# Altium PCB SDC.PcbDoc (part 2 of 3)
Units mm, origin at the board's own origin, x right, y up, seen from the top; angles counter-clockwise.
Board outline 100 x 160 mm, 4 copper layers (Top Layer, Signal Layer 1, Signal Layer 2, Bottom Layer), stack 0.778 mm thick; 295 components, 268 nets, 1347 pads, 611 vias.
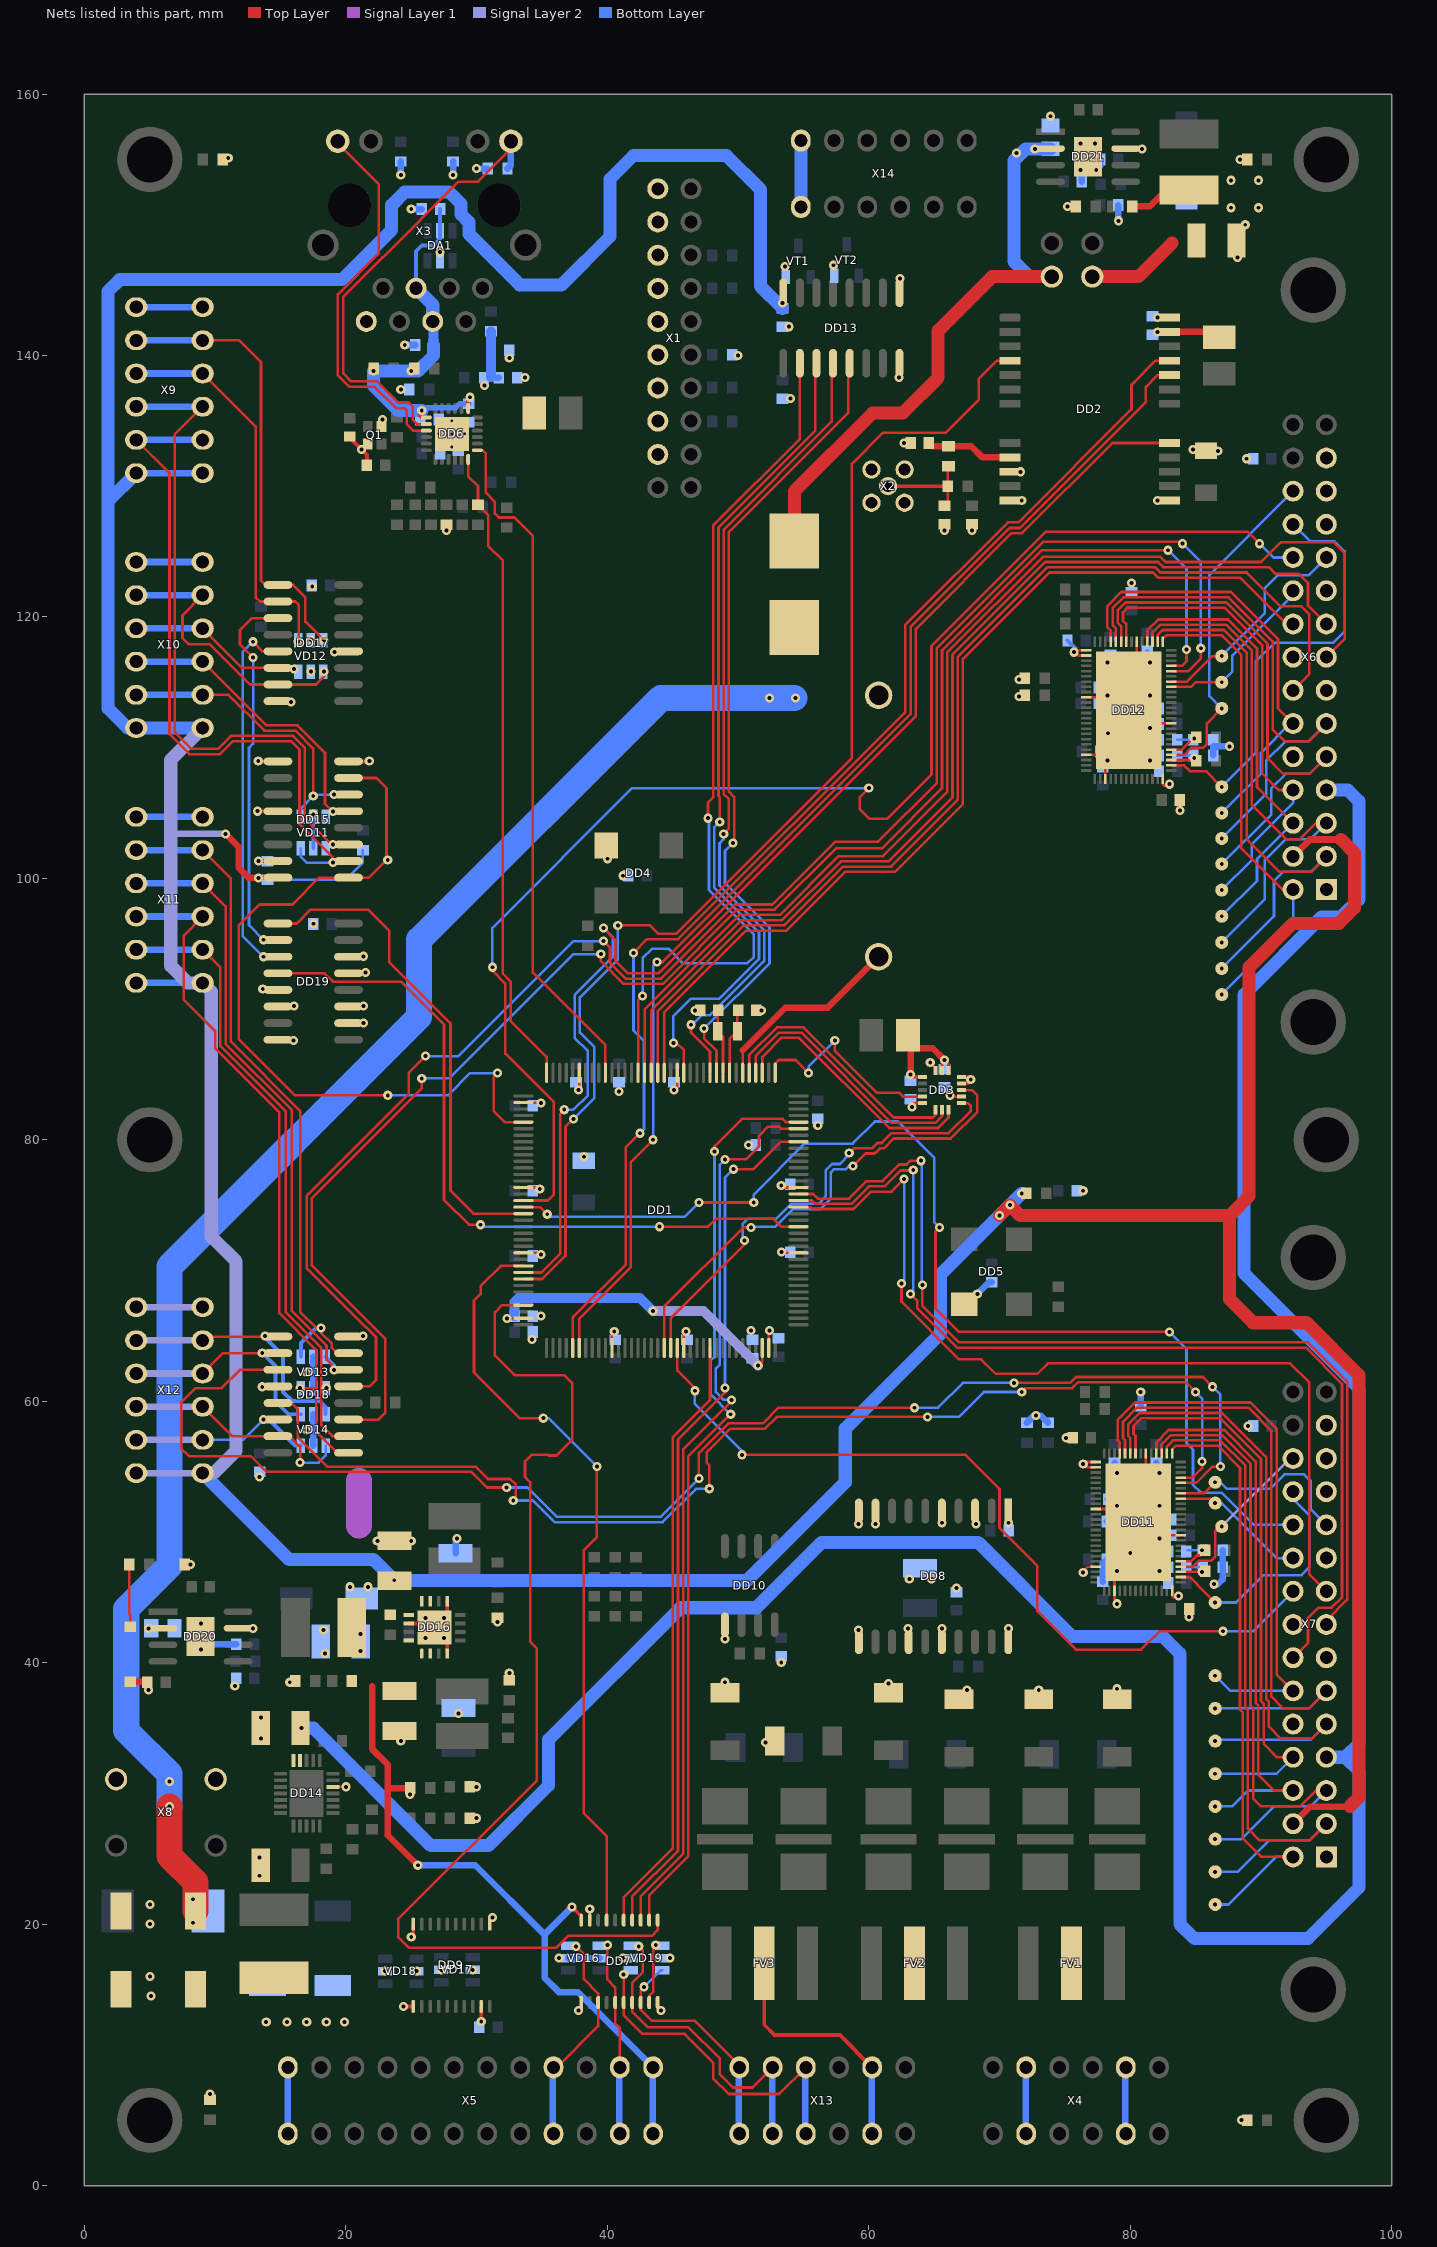
[diagram p4: the nets of this part, all layers, seen from the top]

## Via types
v1: diameter 0.7, hole 0.3, Top Layer to Bottom Layer, tented both sides, 606 vias
v2: diameter 0.5, hole 0.2, Top Layer to Bottom Layer, 5 vias

## Nets (pads, with @x,y where several pads share a name; then routed paths per layer and width w, separated by ;. In a path a pad name is that pad's centre, name@x,y a point inside that pad or via, vN(x,y) a via of type N, cw(c..) or ccw(c..) an arc to the next point about the centre after c; other vN are vias at no path point) (continued)
+5V: C77.2 C82.2 C84.2 C88.2 C99.2 DD7.20 DD13.16 DD15.16 DD16.1 DD16.2 DD16.11 DD16.12 DD16.13 DD16.16 HL4.1 L5.1 L9.2 R55.2 R58.2 R69.2 X5.1 X6.4 X7.4 X9.1 X10.1 X11.1 X12.1 | length 465.6
  Top Layer w0.3: v1@13.345,100.055 DD15.16@14.8,100.055 ; v1(37.3,21.3) 38,20.6 DD7.20@38,20.3
  Top Layer w0.5: v1(10.8,103.4) 11.8,102.4 11.8,100.8 12.545,100.055 v1@13.345,100.055 ; 22,38.2 22,33.4 23.2,32.2 23.2,26.8 v1(25.5,24.5) ; 23.5,30.4 HL4.1@24.938,30.4 ; X7.4@92.46,27.68 93.75,28.97 96.77,28.97 96.8,29 ; X6.4@92.46,101.68 93.75,102.97 96.13,102.97
  Top Layer w1: v1(70,74.2) v1(70.8,75) 71.6,74.2 87.6,74.2 ; 96.13,102.97 97.15,101.95 97.15,97.75 95.95,96.55 92.45,96.55 89.1,93.2 89.1,75.7 87.6,74.2 ; 96.8,29 97.5,29.7 97.5,62 93.5,66 89.4,66 87.6,67.8 87.6,74.2
  Signal Layer 2 w0.5: X12.1@3.96,54.5 X12.1@9,54.5 ; 6.6,103.4 v1(10.8,103.4)
  Signal Layer 2 w1: X12.1@9.04,54.5 9.9,54.5 11.6,56.2 11.6,70.7 9.7,72.6 9.7,91.34 X11.1@9.04,92 7.9,92 6.6,93.3 6.6,103.4 6.6,109.06 X10.1@9.04,111.5
  Bottom Layer w0.2: C82.2@14,99.9 20,99.9 21.3,101.2 R55.2@21.3,102.138
  Bottom Layer w0.5: X11.1@3.92,92 X11.1@3.96,92 X11.1@9,92 ; X9.1@3.96,131 X9.1@9.04,131 ; v1@25.4,24.5 v1(25.5,24.5) 29.9,24.5 35.2,19.2 ; v1(37.3,21.3) 35.2,19.2 ; X5.1@43.46,3.98 X5.1@43.46,9.06 ; X5.1@43.5,9.04 37.74,14.8 36.3,14.8 35.2,15.9 35.2,19.2
  Bottom Layer w1: X9.1@3.96,131 1.8,128.84 ; X12.1@9.04,54.5 15.64,47.9 22.1,47.9 v1(23.7,46.3) 50.7,46.3 58.2,53.8 58.2,57.9 65.5,65.2 65.5,69.7 v1(71.7,75.9) ; X10.1@9.04,111.5 X10.1@3.96,111.5 3.3,111.5 1.8,113 1.8,128.84 ; C99.2@53.4,143.6 51.7,145.3 51.7,152.7 49.1,155.3 42,155.3 40.2,153.5 40.2,149.1 36.5,145.4 33.3,145.4 29.4,149.3 29.4,150.2 28.8,150.8 28.8,151.6 27.9,152.5 24.5,152.5 23.5,151.5 23.5,149.6 19.7,145.8 2.7,145.8 1.8,144.9 1.8,128.84
  other v1: 24.9,29.9 21.1,40.9 21.1,42.2 13.325,100.025 53.4,144
+12V: C102.2 J1.2 L10.2 R78.2 | length 12
  Top Layer w0.5: R78.2@80.162,151.4 81.5,151.4 82.75,152.65 L10.2@84.5,152.65
  Top Layer w1: J1.2@77.1,146.03 80.63,146.03 83.2,148.6
+24_FUSE: C75.2 C87.2 DD14.23 DD14.24 DD20.2 R9.2 R67.2 X6.7 X7.7 | length 223.8
  Top Layer w0.2: R9.2@3.438,47.5 3.438,43.724 3.5,43.662 R67.2@3.5,42.762
  Bottom Layer w1: v1(16.6,35) 17.5,35 26.5,26 30.9,26 35.5,30.6 35.5,34.1 45.6,44.2 51.4,44.2 56.4,49.2 68.36,49.2 75.56,42 82.5,42 83.8,40.7 83.8,20 84.9,18.9 93.6,18.9 97.5,22.8 97.5,31.72 96.46,32.76 ; X7.7@95,32.76 96.46,32.76 ; X6.7@95,106.76 96.64,106.76 97.5,105.9 97.5,98.4 96.15,97.05 94.65,97.05 88.7,91.1 88.7,69.8 97.5,61 97.5,33.8 96.46,32.76
  other v1: 4.9,42.6
+24V: C72.1 C73.1 FU1.1 L6.1 VD10.2 | length 122.1
  Top Layer w2: v1(6.5,29) 6.5,25.2 8.5,23.2 C72.1@8.5,21
  Bottom Layer w2: v1(6.5,29) 6.5,31.5 3.2,34.8 3.2,44.1 6.5,47.4 6.5,70.3 25.6,89.4 25.6,95.3 44.1,113.8 v1@54.3,113.8
  other v1: 8.3,20.1 8.3,21.9 6.5,30.9 52.4,113.8 54.4,113.8
+24V_FUSE_2: C101.2 DD21.2 FU1.2 J2.2 | length 46.7
  Top Layer w1: FU1.2@54.3,125.8 54.3,129.6 60.3,135.6 62.6,135.6 65.3,138.3 65.3,141.9 69.43,146.03 J2.2@74,146.03
  Bottom Layer w1: C101.2@73.889,155.8 v1(72.7,155.8) 72,155.8 71.1,154.9 71.1,147.2 72.27,146.03 J2.2@74,146.03
  other v1: 71.3,155.5
A_EEPROM_CK: DD1.19 X6.14 | length 82.9
  Top Layer w0.2: DD1.19@43.85,85.125 43.85,89.819 50.431,96.4 53.531,96.4 58.031,100.9 61.7,100.9 66.8,106 66.8,116.94 73.66,123.8 81.9,123.8 82.3,123.4 88.9,123.4 91.5,120.8 93.1,120.8 93.7,120.2 93.7,115.62 X6.14@92.46,114.38
A_EEPROM_CS: DD1.18 X6.18 | length 74.8
  Top Layer w0.2: DD1.18@44.35,85.125 44.35,89.753 50.597,96 53.697,96 58.197,100.5 62,100.5 67.2,105.7 67.2,116.775 73.825,123.4 81.734,123.4 82.134,123 88.4,123 91.94,119.46 X6.18@92.46,119.46
A_EEPROM_MISO: DD1.20 X6.17 | length 80
  Top Layer w0.2: DD1.20@43.35,85.125 43.35,89.884 50.266,96.8 53.366,96.8 57.866,101.3 61.5,101.3 66.4,106.2 66.4,117.106 73.494,124.2 82.134,124.2 82.534,123.8 90.6,123.8 91.1,123.3 92.9,123.3 93.6,122.6 93.6,120.866 95,119.466 X6.17@95,119.46
A_EEPROM_MOSI: DD1.21 X6.15 | length 88.7
  Top Layer w0.2: DD1.21@42.85,85.125 42.85,89.95 50.1,97.2 53.2,97.2 57.7,101.7 61.1,101.7 66,106.6 66,117.272 73.328,124.6 82.3,124.6 82.7,124.2 90,124.2 91.5,125.7 95.6,125.7 96.4,124.9 96.4,118.32 X6.15@95,116.92
A_I0_N: C66.2 DD12.17 R47.1 R51.2 | length 2.8
  Top Layer w0.2: DD12.17@83.15,109.05 R47.1@84.688,109.05
  Bottom Layer w0.2: C66.2@83.6,109.4 R51.2@84.9,109.4
  other v1: 84.9,109.2
A_I0_P: DD12.16 TP23.1 X6.24 | length 33.9
  Top Layer w0.2: DD12.16@83.15,108.65 84.114,108.65 84.564,108.2 85.8,108.2 v1(87,107)
  Bottom Layer w0.2: v1(87,107) 89.6,109.6 89.6,116.6 91.02,118.02 95.52,118.02 96.4,118.9 96.4,125 95.6,125.8 93.74,125.8 X6.24@92.46,127.08
A_I1_N: C67.2 DD12.19 R48.1 R52.2 | length 3.5
  Top Layer w0.2: DD12.19@83.15,109.85 83.95,109.85 84.9,110.8 R48.1@85.038,110.8
  Bottom Layer w0.2: C67.2@83.6,110.6 R52.2@84.8,110.6
  other v1: 84.9,110.7
A_I1_P: DD12.18 TP24.1 X6.26 | length 25.9
  Top Layer w0.2: DD12.18@83.15,109.45 84.15,109.45 84.7,110 85.6,110 85.862,110.262 85.862,111.862 v1(87,113)
  Bottom Layer w0.2: v1(87,113) 86.05,113.95 86.05,123.21 X6.26@92.46,129.62
A_I_COMMON: DD1.53 X6.22 | length 109.1
  Top Layer w0.2: v1(31.2,93.2) 31.2,92.934 32.2,91.934 32.2,86.6 35.9,82.9 35.9,75.8 35.45,75.35 DD1.53@33.575,75.35 ; v1(60,106.9) 59.3,106.2 59.3,105.3 60.05,104.55 61.4,104.55 64.8,107.95 64.8,117.769 73.531,126.5 89,126.5 v1(89.9,125.6)
  Bottom Layer w0.2: v1(31.2,93.2) 31.2,96.2 41.9,106.9 v1(60,106.9) ; v1(89.9,125.6) 90.96,124.54 X6.22@92.46,124.54
A_PWM_UX1_H: DD12.39 TP2.1 X6.2 | length 37.3
  Top Layer w0.2: DD12.39@82.5,118.1 82.5,118.334 82.766,118.6 87,118.6 88.5,117.1 88.5,102.3 91.66,99.14 X6.2@92.46,99.14
  Bottom Layer w0.2: v1(87,91.103) 92.46,96.563 X6.2@92.46,99.14
A_PWM_UX1_L: DD12.40 TP4.1 X6.3 | length 43.2
  Top Layer w0.2: DD12.40@82.1,118.1 82.1,118.624 82.476,119 87.166,119 88.9,117.266 88.9,103 91.4,100.5 93.82,100.5 X6.3@95,101.68
  Bottom Layer w0.2: v1(87,93.1) 91,97.1 91,99.8 91.7,100.5 93.82,100.5 X6.3@95,101.68
A_PWM_VX2_H: DD12.41 TP6.1 X6.5 | length 42
  Top Layer w0.2: DD12.41@81.7,118.1 81.7,118.79 82.31,119.4 87.331,119.4 89.3,117.431 89.3,105.6 91.9,103 93,103 94.22,104.22 X6.5@95,104.22
  Bottom Layer w0.2: v1(87,95.1) 90.3,98.4 90.3,101.4 91.9,103 93.78,103 X6.5@95,104.22
A_PWM_VX2_L: DD12.42 TP8.1 X6.6 | length 34.4
  Top Layer w0.2: DD12.42@81.3,118.1 81.3,118.956 82.144,119.8 87.497,119.8 89.7,117.597 89.7,106.98 X6.6@92.46,104.22
  Bottom Layer w0.2: v1(87,97.1) 89.7,99.8 89.7,101.46 X6.6@92.46,104.22
A_PWM_WY1_H: DD12.46 TP10.1 X6.8 | length 36.9
  Top Layer w0.2: DD12.46@79.7,118.1 79.7,119.453 79.45,119.703 79.45,120.35 79.8,120.7 87.2,120.7 90.1,117.8 90.1,108 91.34,106.76 X6.8@92.46,106.76
  Bottom Layer w0.2: v1(87,99.1) 89.3,101.4 89.3,102.616 92.46,105.776 X6.8@92.46,106.76
A_PWM_WY1_L: DD12.47 TP12.1 X6.9 | length 42.4
  Top Layer w0.2: DD12.47@79.3,118.1 79.3,119.287 79.05,119.537 79.05,120.516 79.634,121.1 87.366,121.1 90.5,117.966 90.5,109.2 91.7,108 93.7,108 X6.9@95,109.3
  Bottom Layer w0.2: v1(87,101.1) 90.8,104.9 90.8,106.9 91.9,108 93.7,108 X6.9@95,109.3
A_PWM_Y2_H: DD12.48 TP14.1 X6.11 | length 41.6
  Top Layer w0.2: DD12.48@78.9,118.1 78.9,119.121 78.65,119.371 78.65,120.681 79.469,121.5 87.531,121.5 90.9,118.131 90.9,111.4 91.8,110.5 93.66,110.5 X6.11@95,111.84
  Bottom Layer w0.2: v1(87,103.05) 90.4,106.45 90.4,109 91.9,110.5 93.66,110.5 X6.11@95,111.84
A_PWM_Y2_L: DD12.49 TP16.1 X6.12 | length 34
  Top Layer w0.2: DD12.49@78.5,118.1 78.5,118.956 78.25,119.206 78.25,120.847 79.303,121.9 87.697,121.9 91.3,118.297 91.3,113 X6.12@92.46,111.84
  Bottom Layer w0.2: v1(87,105) 90,108 90,109.6 92.24,111.84 X6.12@92.46,111.84
ABS_ENC_1_CK_Y: DD15.2 VD11.6 X9.2 | length 52.9
  Top Layer w0.2: X9.2@3.96,133.54 6.5,131 6.5,111.034 8.034,109.5 10.366,109.5 11.366,110.5 15.803,110.5 16.45,109.853 16.45,104.15 19,101.6 v1(19,101.2)
  Bottom Layer w0.2: VD11.6@16.55,102.3 16.55,101.65 17,101.2 v1(19,101.2)
  Bottom Layer w0.5: X9.2@3.96,133.54 X9.2@9.04,133.54
ABS_ENC_1_CK_Z: DD15.3 VD11.4 X9.3 | length 51.7
  Top Layer w0.2: X9.3@9.04,136.08 6.9,133.94 6.9,111.2 8.2,109.9 10.2,109.9 11.2,110.9 15.969,110.9 16.85,110.019 16.85,104.631 18.886,102.595 DD15.3@20.2,102.595
  Bottom Layer w0.5: X9.3@3.96,136.08 X9.3@9.04,136.08
  other v1: 19,102.6
ABS_ENC_1_DATA_A: DD17.2 VD12.4 X9.4 | length 30.1
  Top Layer w0.2: X9.4@9.04,138.62 13.1,134.56 13.1,121.5 13.425,121.175 DD17.2@14.8,121.175 16.125,121.175 16.4,120.9 v1@16.4,118.2
  Bottom Layer w0.5: X9.4@3.96,138.62 X9.4@9.04,138.62
  other v1: 16.325,118.125
ABS_ENC_1_DATA_B: DD17.1 VD12.6 X9.5 | length 34.7
  Top Layer w0.2: X9.5@9.04,141.16 11.84,141.16 13.5,139.5 13.5,122.8 13.855,122.445 DD17.1@14.8,122.445 15.955,122.445 16.9,121.5 16.9,119.65 v1(18.325,118.225)
  Bottom Layer w0.5: X9.5@3.96,141.16 X9.5@9.04,141.16
ABS_ENC_1_DATA_Y: DD17.3 DD19.2 | length 28
  Top Layer w0.2: v1(12.9,116.9) 11.9,117.9 11.9,119 12.805,119.905 DD17.3@14.8,119.905
  Bottom Layer w0.2: v1(12.9,116.9) 12.9,110.3 12.585,109.985 12.585,96.415 v1(13.7,95.3)
ABS_ENC_2_CK_Y: DD15.6 VD11.1 X10.2 | length 22.4
  Top Layer w0.2: X10.2@9.04,114.04 11.014,114.04 13.754,111.3 16.134,111.3 17.5,109.934 v1(17.5,106.3)
  Bottom Layer w0.2: VD11.1@16.55,104.7 16.55,105.35 v1(17.5,106.3) ; v1@17.6,106.4 v1(19.1,106.4)
  Bottom Layer w0.5: X10.2@3.96,114.04 X10.2@9.04,114.04
ABS_ENC_2_CK_Z: DD15.5 VD11.3 X10.3 | length 23.3
  Top Layer w0.2: X10.3@9.04,116.58 13.92,111.7 16.3,111.7 18.4,109.6 18.4,105.7 18.965,105.135 DD15.5@20.2,105.135
  Bottom Layer w0.5: X10.3@3.96,116.58 X10.3@9.04,116.58
  other v1: 19,105.1
ABS_ENC_2_DATA_A: DD17.6 VD12.3 X10.4 | length 12.1
  Top Layer w0.2: X10.4@9.04,119.12 12.065,116.095 DD17.6@14.8,116.095
  Bottom Layer w0.5: X10.4@3.96,119.12 X10.4@9.04,119.12
  other v1: 16.025,116.025
ABS_ENC_2_DATA_B: DD17.7 VD12.1 X10.5 | length 21.9
  Top Layer w0.2: X10.5@9.04,121.66 7.5,120.12 7.5,118.4 8,117.9 9.6,117.9 12.675,114.825 DD17.7@14.8,114.825 17.725,114.825 18.325,115.425 v1(18.325,115.825)
  Bottom Layer w0.5: X10.5@3.96,121.66 X10.5@9.04,121.66
ABS_ENC_2_DATA_Y: DD17.5 DD19.3 | length 27.3
  Top Layer w0.2: v1(12.9,118.1) 13.635,117.365 DD17.5@14.8,117.365
  Bottom Layer w0.2: v1(12.9,118.1) 12.1,117.3 12.1,95.6 v1(13.7,94)
ABS_ENC_CK: DD1.41 DD15.1 DD15.7 | length 58.7
  Top Layer w0.2: DD15.7@20.2,107.675 22.325,107.675 23.1,106.9 23.1,101.4 21.755,100.055 DD15.1@20.2,100.055 17.955,100.055 15.9,98 13.4,98 11.8,96.4 11.8,87.7 16.1,83.4 v1(23.2,83.4) ; v1(31.6,85.1) 31.3,84.8 31.3,82.2 32.15,81.35 DD1.41@33.575,81.35
  Bottom Layer w0.2: v1(23.2,83.4) 27.8,83.4 29.5,85.1 v1(31.6,85.1)
  other v1: 23.2,101.4
ABS_ENC_DATA: DD1.124 DD19.4 | length 56.2
  Top Layer w0.2: DD19.4@14.8,92.735 18.365,92.735 19,92.1 24.2,92.1 27.5,88.8 27.5,75.4 29.4,73.5 v1(30.3,73.5) ; v1(44,73.35) 47.7,73.35 48.3,73.95 52.7,73.95 53.3,73.35 DD1.124@54.625,73.35
  Bottom Layer w0.2: v1(30.3,73.5) 30.45,73.35 v1(44,73.35)
ABS_ENC_SEL: DD1.55 DD19.1 | length 37.7
  Top Layer w0.2: DD19.1@14.8,96.545 16.245,96.545 17.3,97.6 21.7,97.6 23.3,96 23.3,93.6 28,88.9 28,76.1 29.75,74.35 DD1.55@33.575,74.35
ACC_CS: DD1.3 DD3.8 | length 19.9
  Top Layer w0.2: DD1.3@51.85,85.125 51.85,86.35 53.3,87.8 54.669,87.8 61.569,80.9 65.3,80.9 66.1,81.7 DD3.8@66.1,82.3
ACC_INT1: DD1.91 DD3.11 | length 37.1
  Top Layer w0.2: DD1.91@44.35,64.075 44.35,67.25 50.4,73.3 v1(51,73.3) ; v1(58.8,78) 59.75,78.95 60.416,78.95 60.466,79 60.5,79 60.85,79.35 61.15,79.35 61.9,80.1 66.266,80.1 68.3,82.134 68.3,83.4 67.9,83.8 DD3.11@67.1,83.8
  Bottom Layer w0.2: v1(51,73.3) 51.05,73.35 52.85,73.35 54.2,74.7 56.3,74.7 57.1,75.5 57.1,77.5 57.35,77.75 58.25,77.75 58.5,78 v1(58.8,78)
ACC_INT2: DD1.92 DD3.9 | length 35.4
  Top Layer w0.2: DD1.92@44.85,64.075 44.85,66.35 50.5,72 v1(50.5,72.3) ; v1(58.5,79) 58.85,79.35 60.25,79.35 60.65,79.75 60.984,79.75 61.734,80.5 66.1,80.5 67.8,82.2 67.8,82.6 67.6,82.8 DD3.9@67.1,82.8
  Bottom Layer w0.2: v1(50.5,72.3) 50.35,72.45 50.35,73.569 50.731,73.95 52.884,73.95 54.034,75.1 56.134,75.1 56.7,75.666 56.7,77.666 57.184,78.15 57.784,78.15 58.5,78.866 v1(58.5,79)
ACC_MISO: DD1.4 DD3.7 | length 19.8
  Top Layer w0.2: DD1.4@51.35,85.125 51.35,86.416 53.134,88.2 54.834,88.2 61.734,81.3 65.1,81.3 65.6,81.8 DD3.7@65.6,82.3
ACC_MOSI: DD1.5 DD3.6 | length 19.8
  Top Layer w0.2: DD1.5@50.85,85.125 50.85,86.481 52.969,88.6 55,88.6 61.9,81.7 64.9,81.7 65.1,81.9 DD3.6@65.1,82.3
ACC_SCK: DD1.1 DD3.4 | length 16.1
  Top Layer w0.2: DD1.1@52.85,85.125 52.85,85.85 53.1,86.1 54.4,86.1 v1(55.4,85.1) ; v1(57.4,87.6) 57.4,86.8 60.6,83.6 62.3,83.6 62.6,83.3 DD3.4@64.1,83.3
  Bottom Layer w0.2: v1(55.4,85.1) 55.4,85.6 v1(57.4,87.6)
B_EEPROM_CK: DD1.128 X7.14 | length 78.8
  Top Layer w0.2: DD1.128@54.625,75.35 55.65,75.35 55.9,75.1 58.666,75.1 60,76.434 61.215,76.434 62.431,77.65 63.35,77.65 v1(63.4,77.7) ; v1(63.2,68.2) 63.7,67.7 63.7,67.134 66.734,64.1 93.434,64.1 96.2,61.334 96.2,45 95.4,44.2 94.4,44.2 93.6,43.4 93.6,41.52 X7.14@92.46,40.38
  Bottom Layer w0.2: v1(63.2,68.2) 63.4,68.4 v1(63.4,77.7)
B_EEPROM_CS: DD1.93 X7.18 | length 64.2
  Top Layer w0.2: DD1.93@45.35,64.075 45.35,62.35 46.7,61 v1(46.7,60.8) ; v1(50.3,55.9) 67.4,55.9 70,53.3 70,50.3 72.9,47.4 72.9,43.94 75.84,41 80.828,41 82.228,42.4 v1(87.1,42.4)
  Bottom Layer w0.2: v1(46.7,60.8) 46.7,59.8 50.3,56.2 v1(50.3,55.9) ; v1(87.1,42.4) 89.4,42.4 X7.18@92.46,45.46
B_EEPROM_MISO: DD1.127 X7.17 | length 69.5
  Top Layer w0.2: DD1.127@54.625,74.85 55.55,74.85 55.7,74.7 58.831,74.7 60.164,76.033 61.733,76.033 v1(62.7,77) ; v1(62.5,69) 62.5,67.615 66.915,63.2 68.6,63.2 69.7,62.1 72.9,62.1 73.7,62.9 92.234,62.9 93.7,61.434 93.7,46.76 X7.17@95,45.46
  Bottom Layer w0.2: v1(62.5,69) 62.7,69.2 v1(62.7,77)
B_EEPROM_MOSI: DD1.129 X7.15 | length 75.7
  Top Layer w0.2: DD1.129@54.625,75.85 55.75,75.85 56.1,75.5 58.5,75.5 59.834,76.834 61.049,76.834 62.325,78.11 62.89,78.11 63.181,78.4 v1(64,78.4) ; v1(64.1,68.9) 64.1,67.3 66.9,64.5 93.6,64.5 96.6,61.5 96.6,44.834 X7.15@95,43.234
  Bottom Layer w0.2: v1(64,78.4) 64.05,78.35 64.05,68.95 v1(64.1,68.9)
B_I0_N: C63.2 DD11.17 R45.1 R49.2 | length 2.9
  Top Layer w0.2: DD11.17@83.85,46.95 v1(85.488,46.95)
  Bottom Layer w0.2: C63.2@84.3,47.3 R49.2@85.538,47.3
B_I0_P: DD11.16 TP19.1 X7.24 | length 18.1
  Top Layer w0.2: DD11.16@83.85,46.55 84.569,46.55 85.15,45.969 85.15,45.95 v1(86.5,44.6)
  Bottom Layer w0.2: v1(86.5,44.6) 88.1,44.6 90.2,46.7 93.1,46.7 93.7,47.3 93.7,51.274 92.46,52.514 X7.24@92.46,53.08
B_I1_N: C64.2 DD11.19 R46.1 R50.2 | length 3.4
  Top Layer w0.2: DD11.19@83.85,47.75 84.648,47.75 85.098,48.2 85.338,48.2 R46.1@85.738,48.6
  Bottom Layer w0.2: C64.2@84.4,48.6 v1(85.5,48.6) R50.2@85.55,48.65
B_I1_P: DD11.18 TP20.1 X7.26 | length 12.6
  Top Layer w0.2: DD11.18@83.85,47.35 84.816,47.35 85.038,47.572 85.038,47.574 85.264,47.8 86.212,47.8 86.5,48.088 86.5,50.1 TP20.1@86.7,50.1
  Signal Layer 2 w0.2: v1(87,50.4) X7.26@92.22,55.62
B_I_COMMON: DD1.54 X7.22 | length 88.1
  Top Layer w0.2: DD1.54@33.575,74.85 34.85,74.85 v1(35.4,74.3) ; v1(47,75.2) v1(51.2,75.2) ; v1(65.4,73.3) 65.1,73 65.1,67.1 66.9,65.3 v1(83,65.3)
  Bottom Layer w0.2: v1(35.4,74.3) 35.6,74.1 45.9,74.1 v1(47,75.2) ; v1(51.2,75.2) 51.2,75.8 55.1,79.7 58.766,79.7 60.466,81.4 62.234,81.4 65,78.634 65,73.7 v1(65.4,73.3) ; v1(83,65.3) 84.3,64 84.3,56.8 84.8,56.3 84.8,53.6 85.4,53 87,53 89.46,50.54 X7.22@92.46,50.54
B_PWM_UX1_H: DD11.39 TP1.1 X7.2 | length 46.6
  Top Layer w0.2: DD11.39@83.2,56 83.2,56.3 83.5,56.6 86.7,56.6 88.4,54.9 88.4,36.406 88.6,36.206 88.6,26.6 90.06,25.14 X7.2@92.46,25.14
  Bottom Layer w0.2: v1(86.5,21.5) 87.5,21.5 91.14,25.14 X7.2@92.46,25.14
B_PWM_UX1_L: DD11.40 TP3.1 X7.3 | length 52.3
  Top Layer w0.2: DD11.40@82.8,56 82.8,56.524 83.276,57 86.866,57 88.8,55.066 88.8,36.572 89,36.372 89,27.3 89.9,26.4 93.72,26.4 X7.3@95,27.68
  Bottom Layer w0.2: v1(86.5,24) 88.2,24 90.6,26.4 93.72,26.4 X7.3@95,27.68
B_PWM_VX2_H: DD11.41 TP5.1 X7.5 | length 50.8
  Top Layer w0.2: DD11.41@82.4,56 82.4,56.69 83.11,57.4 87.031,57.4 89.2,55.231 89.2,36.737 89.4,36.537 89.4,29.6 90,29 93,29 94.22,30.22 X7.5@95,30.22
  Bottom Layer w0.2: v1(86.5,26.5) 88.5,26.5 91,29 93.78,29 X7.5@95,30.22